# KiCad board PROC099A_PCB-PcbDoc.kicad_pcb (continued)
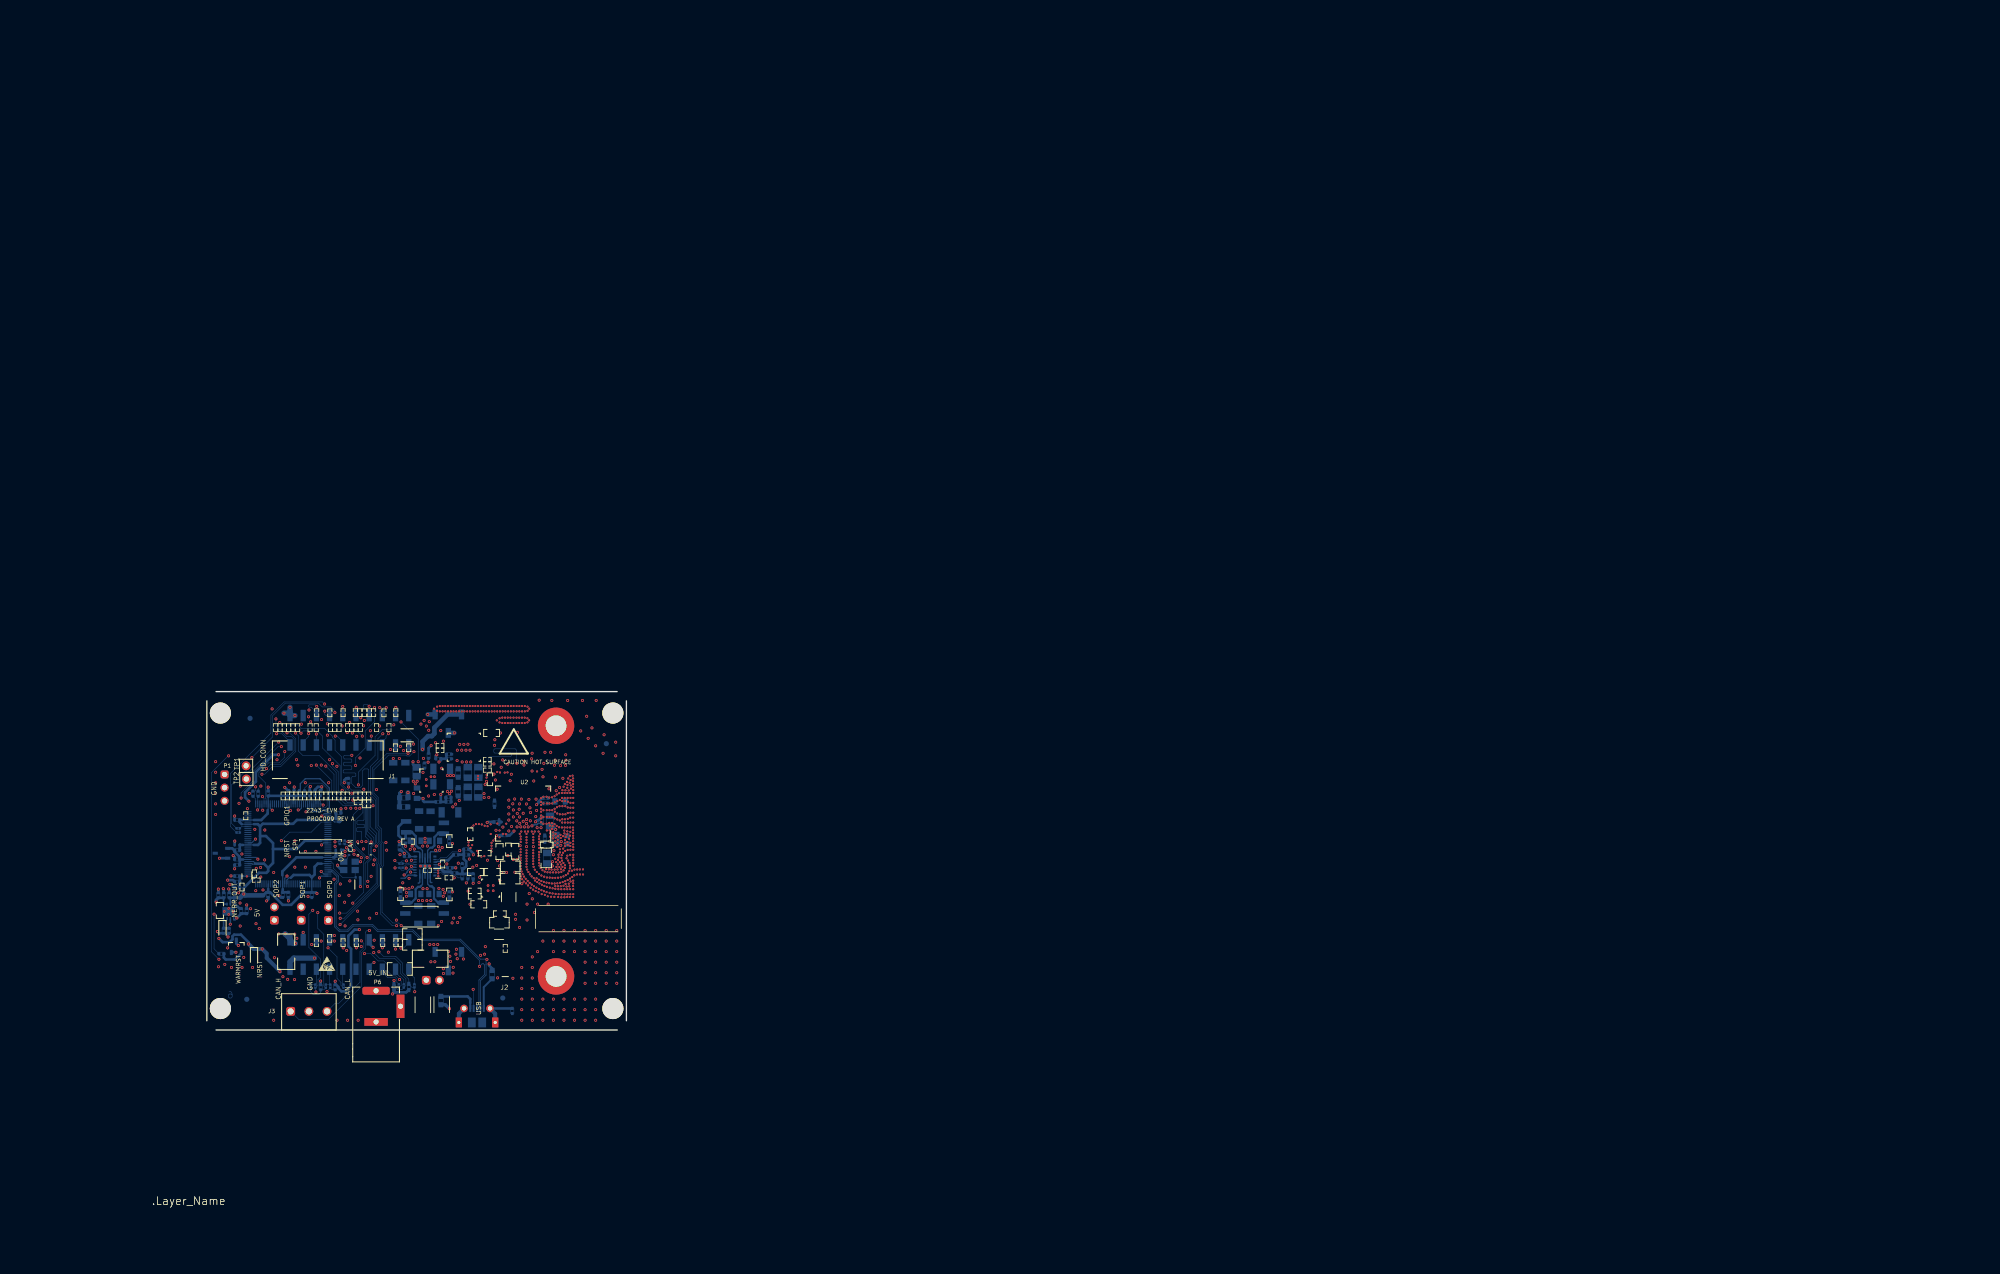
[diagram p0: board, top side]
## Routing (per net, layer and track width the routed paths; a pad name or vN(x,y) marks a point on that pad's centre or on a via; arc(x,y) is an arc through that point) (continued)
  In7.Cu w0.025: 69.5,27.46 79.89,27.46 79.89,46.46 69.5,46.46 69.5,27.46
  In9.Cu w0.025: 1.97,4.13 3.24,4.13 ; 2.61,3.49 2.61,4.76
  In12.Cu w0.025: 53.87,171.53 64.91,182.56 ; 57.29,182.56 53.87,179.15 ; 59.83,182.56 53.87,176.61 ; 77.61,155.89 61.1,139.38 ; 53.87,147.4 77.61,171.13 ; 71.26,182.56 53.87,165.18 ; 53.87,157.56 77.61,181.29 ; 67.45,139.38 77.61,149.54 ; 77.61,143.19 73.8,139.38 ; 77.61,172.4 53.87,148.67 ; 54.75,139.38 77.61,162.24 ; 72.53,182.56 53.87,163.91 ; 77.61,153.35 63.64,139.38 ; 77.61,169.86 53.87,146.13 ; 77.61,173.67 53.87,149.94 ; 71.26,139.38 77.61,145.73 ; 77.61,152.08 64.91,139.38 ; 77.61,144.46 72.53,139.38 ; 76.34,182.56 53.87,160.1 ; 53.87,161.37 75.07,182.56 ; 53.87,170.26 66.18,182.56 ; 77.61,180.02 53.87,156.29 ; 53.87,172.8 63.64,182.56 ; 53.87,166.45 69.99,182.56 ; 58.56,182.56 53.87,177.88 ; 77.61,147 69.99,139.38 ; 77.61,168.59 53.87,144.86 ; 66.18,139.38 77.61,150.81 ; 53.87,139.78 77.61,163.51 ; 53.87,143.59 77.61,167.32 ; 77.61,178.75 53.87,155.02 ; 53.87,158.83 77.61,182.56 ; 53.87,162.64 73.8,182.56 ; 53.87,142.32 77.61,166.05 ; 75.07,139.38 77.61,141.92 ; 53.87,180.42 56.02,182.56 ; 77.61,174.94 53.87,151.21 ; 77.61,160.97 56.02,139.38 ; 77.61,148.27 68.72,139.38 ; 58.56,139.38 77.61,158.43 ; 53.87,152.48 77.61,176.21 ; 59.83,139.38 77.61,157.16 ; 77.61,159.7 57.29,139.38 ; 77.61,164.78 53.87,141.05 ; 76.34,139.38 77.61,140.65 ; 53.87,174.07 62.37,182.56 ; 77.61,177.48 53.87,153.75 ; 61.1,182.56 53.87,175.34 ; 77.61,154.62 62.37,139.38 ; 53.87,181.69 54.75,182.56 ; 67.45,182.56 53.87,168.99 ; 68.72,182.56 53.87,167.72
  In5.Cu w0.05: 6.18,18.68 6.18,20.53 5.13,20.53 5.13,18.68 6.18,18.68 ; 8.04,20.67 9.09,20.67 9.09,18.82 8.04,18.82 8.04,20.67 ; 3.98,10.2 3.98,12.05 2.93,12.05 2.93,10.2 3.98,10.2 ; 30.16,21.84 31.56,21.84 31.56,22.54 30.16,22.54 30.16,21.84
  In6.Cu w0.05: 5.13,40.08 5.13,40.78 6.53,40.78 6.53,40.08 5.13,40.08
  In5.Cu w0.07: 58,17.48 58,19.38 54.5,19.38 54.5,17.48 58,17.48
  In6.Cu w0.07: 44.53,24.83 46.73,24.83 46.73,22.13 44.53,22.13 44.53,24.83 ; 42.24,20.46 42.24,23.96 44.14,23.96 44.14,20.46 42.24,20.46 ; 42.12,38.66 44.02,38.66 44.02,42.16 42.12,42.16 42.12,38.66 ; 37.27,37.75 39.47,37.75 39.47,40.45 37.27,40.45 37.27,37.75 ; 39.76,20.45 41.66,20.45 41.66,23.95 39.76,23.95 39.76,20.45 ; 39.31,22.13 39.31,24.83 37.11,24.83 37.11,22.13 39.31,22.13 ; 46.74,37.48 46.74,40.18 44.54,40.18 44.54,37.48 46.74,37.48 ; 37.27,48.01 39.17,48.01 39.17,51.51 37.27,51.51 37.27,48.01 ; 34.94,51.5 36.84,51.5 36.84,48 34.94,48 34.94,51.5 ; 39.92,38.69 39.92,42.19 41.82,42.19 41.82,38.69 39.92,38.69
  In6.Cu w0.08: 25.81,32.9 29.11,32.9 29.11,30.3 25.81,30.3 25.81,32.9
  In5.Cu w0.1: 56.54,10.29 57.14,10.29 57.14,10.04 57.74,10.04 57.74,10.29 58.34,10.29 ; 9.79,13.04 9.79,15.87 8.39,15.87 8.39,13.04 ; 13.15,34.01 13.14,34 ; 13.15,34.01 13.17,34.02 13.2,34.05 13.21,34.09 13.23,34.13 13.24,34.18 13.25,34.24 13.25,34.3 13.25,34.42 13.24,34.5 13.24,34.51 ; 13.15,34.01 13.15,34 ; 20.1,55.66 20.1,55.79 19.95,55.79 19.95,55.66 ; 25.1,48.42 25.1,48.29 24.95,48.29 24.95,48.42 ; 13.03,34.47 13.06,34.46 ; 13.03,34.47 13.03,35.25 ; 13.03,34.47 13,34.48 13,33.81 13.05,33.85 13.14,33.88 13.15,33.89 13.15,34.43 ; 13.09,40.24 13.26,40.24 13.26,41.04 13.09,41.04 ; 13.09,40.24 13.06,40.25 ; 13.09,40.24 13.11,40.24 ; 28.08,-2.64 37.08,-2.64 ; 28.08,-2.64 28.08,7.36 ; 28.08,-2.64 28.08,-3.64 ; 37.08,-2.64 37.08,-3.64 ; 37.08,-2.64 37.08,7.36 ; 13.18,39.79 13.17,39.79 ; 13.18,39.79 13.18,39.79 ; 13.18,39.79 13.18,39.79 ; 9.14,39.79 9.12,39.81 9.1,39.83 9.08,39.87 9.06,39.91 9.05,39.96 9.04,40.01 9.04,40.07 9.04,40.09 9.04,40.21 9.05,40.29 9.05,40.3 ; 9.14,39.79 9.15,39.79 ; 9.14,39.79 9.14,39.79 ; 24.45,55.66 24.45,55.79 24.6,55.79 24.6,55.66 ; 13.27,40.3 13.26,40.36 13.25,40.39 ; 13.27,40.3 13.28,40.22 13.28,40.18 13.28,40.07 13.28,40.01 13.27,39.96 13.26,39.91 13.24,39.86 13.22,39.83 13.2,39.8 13.18,39.79 ; 13.28,40.3 13.26,40.38 ; 9.23,41.04 9.21,41.05 ; 9.23,41.04 9.26,41.03 ; 9.23,41.04 9.06,41.04 9.06,40.24 9.23,40.24 ; 27.1,48.42 27.1,48.29 26.95,48.29 26.95,48.42 ; 9.2,34.46 9.03,34.46 9.03,35.26 9.2,35.26 ; 9.2,34.46 9.18,34.45 ; 9.2,34.46 9.23,34.47 ; 9.14,41.05 9.21,41.05 ; 9.14,41.05 9.14,41.07 ; 9.14,41.05 9.14,41.04 ; 9.21,41.05 9.14,41.07 ; 21.45,48.42 21.45,48.29 21.6,48.29 21.6,48.42 ; 52.17,35.32 53.57,35.32 ; 13.03,35.88 13.09,35.85 13.14,35.83 13.15,35.82 13.15,35.28 ; 13.03,35.88 13,35.9 13,35.23 13.06,35.26 ; 13.03,35.88 13.03,36.11 ; 11.79,39.41 11.79,39.41 ; 13.06,35.26 13.08,35.26 ; 13.06,35.26 13.23,35.26 13.23,34.46 13.06,34.46 ; 9.23,33.61 9.23,33.83 ; 9.23,33.83 9.26,33.81 9.26,34.48 9.23,34.47 ; 9.23,33.83 9.16,33.86 9.12,33.88 9.11,33.89 9.11,34.43 ; 30.6,48.42 30.6,48.29 30.45,48.29 30.45,48.42 ; 9.11,34.45 9.11,34.46 ; 9.11,34.45 9.11,34.43 ; 9.11,34.45 9.18,34.45 ; 12.46,41.93 12.46,42.04 ; 12.46,42.04 12.91,42.04 ; 12.46,42.04 9.86,42.04 ; 9.26,40.25 9.29,40.26 9.29,39.59 9.26,39.62 ; 9.26,40.25 9.26,41.03 ; 9.26,40.25 9.23,40.24 ; 13.28,40.99 13.26,40.92 13.25,40.89 ; 13.28,40.99 13.26,40.9 ; 13.28,40.99 13.28,41.06 13.28,41.1 13.28,41.21 13.28,41.27 13.27,41.33 13.26,41.37 13.24,41.42 13.22,41.45 13.2,41.48 13.18,41.49 ; 10.53,33.61 10.53,33.46 9.38,33.46 ; 10.53,33.61 10.57,33.57 10.62,33.48 ; 10.53,33.61 10.51,33.62 ; 9.01,34.51 9.03,34.59 ; 9.01,34.51 9,34.43 9,34.4 9,34.28 9.01,34.23 9.02,34.17 9.03,34.12 9.05,34.08 9.06,34.04 9.09,34.02 9.1,34.01 ; 9.01,34.51 9.03,34.58 9.04,34.61 ; 9.1,34.01 9.11,34.01 ; 9.11,34.01 9.11,34 ; 17.1,55.66 17.1,55.79 16.95,55.79 16.95,55.66 ; 9.26,41.66 9.26,41.89 ; 9.26,41.66 9.19,41.63 9.15,41.62 9.14,41.61 9.14,41.07 ; 9.26,41.66 9.29,41.69 9.29,41.02 9.26,41.03 ; 12.98,33.73 12.98,33.51 12.05,33.51 ; 9.93,36.11 10.61,36.11 ; 27.45,48.42 27.45,48.29 27.6,48.29 27.6,48.42 ; 13.18,41.07 13.18,41.61 13.07,41.66 13.06,41.66 ; 13.18,41.07 13.11,41.05 ; 13.18,41.07 13.18,41.05 ; 14.39,0.73 14.39,-0.01 17.89,-0.01 ; 14.39,0.73 17.89,0.73 ; 14.39,0.73 14.39,6.99 24.89,6.99 24.89,0.73 ; 7.34,28.92 8.09,28.92 ; 25.95,48.42 25.95,48.29 26.1,48.29 26.1,48.42 ; 13.09,41.04 13.06,41.03 ; 13.09,41.04 13.11,41.05 ; 9.2,35.26 9.23,35.25 ; 9.2,35.26 9.18,35.26 ; 17.1,48.42 17.1,48.29 16.95,48.29 16.95,48.42 ; 9.26,39.62 9.19,39.65 9.15,39.67 9.14,39.67 9.14,40.22 ; 9.26,39.62 9.26,39.39 ; 13.06,40.25 13.03,40.26 13.03,39.59 13.06,39.62 ; 13.06,40.25 13.06,41.03 ; 8.34,28.92 8.56,28.92 8.56,30.22 8.34,30.22 ; 27.95,55.66 27.95,55.79 28.1,55.79 28.1,55.66 ; 13.18,41.04 13.18,41.05 ; 13.18,41.05 13.11,41.05 ; 10.53,39.41 10.54,39.41 ; 21.1,48.42 21.1,48.29 20.95,48.29 20.95,48.42 ; 37.08,-5.14 37.08,-3.64 ; 37.08,-5.14 37.08,-6.14 28.08,-6.14 28.08,-5.14 ; 37.08,-5.14 28.08,-5.14 ; 37.08,-3.64 28.08,-3.64 ; 13.25,35.36 13.43,35.36 13.43,35.96 13.03,35.96 ; 51.57,35.32 51.57,38.02 ; 10.56,39.39 10.6,39.36 10.66,39.26 11.66,39.26 11.72,39.35 11.76,39.39 11.76,39.39 ; 10.56,39.39 10.56,39.24 9.41,39.24 ; 10.56,39.39 10.54,39.41 ; 10.21,33.51 9.28,33.51 9.28,33.73 ; 30.1,55.66 30.1,55.79 29.95,55.79 29.95,55.66 ; 23.95,55.66 23.95,55.79 24.1,55.79 24.1,55.66 ; 29.6,48.42 29.6,48.29 29.45,48.29 29.45,48.42 ; 7.09,28.92 6.86,28.92 6.86,30.22 7.09,30.22 ; 29.58,-5.14 29.58,-3.64 ; 54.17,35.32 54.17,38.02 ; 9.11,34.43 9.18,34.45 ; 23.45,48.42 23.45,48.29 23.6,48.29 23.6,48.42 ; 12.91,39.24 11.76,39.24 11.76,39.39 ; 45.21,29.53 45.21,29.31 43.91,29.31 43.91,29.53 ; 9.14,41.49 9.12,41.47 9.09,41.45 9.08,41.41 9.06,41.37 9.05,41.32 9.04,41.26 9.04,41.2 9.04,41.07 9.04,41 9.05,40.99 ; 9.14,41.49 9.14,41.49 ; 9.14,41.49 9.14,41.49 ; 28.08,7.36 28.08,8.26 31.08,8.26 31.08,7.74 ; 28.08,7.36 28.48,7.36 ; 9.18,35.26 9.11,35.26 ; 9.18,35.26 9.11,35.28 ; 13.15,35.26 13.15,35.26 ; 13.15,35.26 13.15,35.28 ; 13.15,35.26 13.07,35.26 ; 9.14,40.23 9.14,40.24 ; 9.14,40.23 9.21,40.23 ; 9.14,40.23 9.14,40.22 ; 28.95,48.42 28.95,48.29 29.1,48.29 29.1,48.42 ; 9.26,39.54 8.86,39.54 8.86,40.14 9.04,40.14 ; 29.45,55.66 29.45,55.79 29.6,55.79 29.6,55.66 ; 10.08,36.21 12.17,36.21 ; 18.95,55.66 18.95,55.79 19.1,55.79 19.1,55.66 ; 13.18,41.49 13.18,41.49 ; 13.18,41.49 13.18,41.49 ; 13.18,41.49 13.17,41.49 ; 9.14,41.49 9.15,41.49 ; 13.06,39.62 13.13,39.65 13.17,39.66 13.18,39.67 13.18,40.22 ; 13.06,39.62 13.06,39.39 ; 9.05,40.3 9.06,40.38 ; 9.05,40.3 9.06,40.36 9.07,40.39 ; 18.45,48.42 18.45,48.29 18.6,48.29 18.6,48.42 ; 22.95,55.66 22.95,55.79 23.1,55.79 23.1,55.66 ; 11.73,33.61 11.75,33.62 ; 11.73,33.61 11.73,33.46 12.88,33.46 ; 11.73,33.61 11.69,33.57 11.63,33.48 10.63,33.48 ; 9.28,35.98 9.28,36.21 9.79,36.21 ; 13.08,35.26 13.15,35.28 ; 9.05,40.99 9.06,40.9 ; 9.05,40.99 9.06,40.92 9.07,40.89 ; 16.1,55.66 16.1,55.79 15.95,55.79 15.95,55.66 ; 24.89,0.73 21.39,0.73 ; 24.89,0.73 24.89,-0.01 21.39,-0.01 ; 12.5,41.99 13.01,41.99 13.01,41.76 ; 9.12,35.71 9.11,35.71 ; 20.6,55.66 20.6,55.79 20.45,55.79 20.45,55.66 ; 22.1,55.66 22.1,55.79 21.95,55.79 21.95,55.66 ; 21.39,0.73 17.89,0.73 ; 21.39,0.73 21.39,-0.01 ; 21.39,0.73 21.39,-0.01 ; 29.95,48.42 29.95,48.29 30.1,48.29 30.1,48.42 ; 17.6,48.42 17.6,48.29 17.45,48.29 17.45,48.42 ; 9.04,35.11 9.02,35.17 9.01,35.2 ; 16.45,55.66 16.45,55.79 16.6,55.79 16.6,55.66 ; 22.95,48.42 22.95,48.29 23.1,48.29 23.1,48.42 ; 9.38,36.26 9.83,36.26 ; 9.83,36.26 12.43,36.26 ; 9.83,36.26 9.83,36.14 ; 20.6,48.42 20.6,48.29 20.45,48.29 20.45,48.42 ; 26.45,55.66 26.45,55.79 26.6,55.79 26.6,55.66 ; 13.22,35.11 13.24,35.17 13.25,35.24 13.25,35.31 13.25,35.43 13.25,35.49 13.24,35.54 13.23,35.59 13.21,35.63 13.19,35.67 13.17,35.69 13.15,35.7 ; 9.14,40.22 9.23,40.24 ; 24.6,48.42 24.6,48.29 24.45,48.29 24.45,48.42 ; 12.47,36.21 12.98,36.21 12.98,35.98 ; 13.06,34.46 13.08,34.45 ; 24.89,5.22 25.39,5.09 25.39,6.09 24.89,5.95 ; 9.12,34 9.11,34.01 ; 13.06,41.66 13.03,41.69 13.03,41.02 13.06,41.03 ; 13.06,41.66 13.06,41.89 ; 9.04,41.14 8.86,41.14 8.86,41.74 9.26,41.74 ; 13.03,33.61 13.03,33.83 ; 28.48,-2.64 28.48,7.36 ; 28.48,7.36 36.68,7.36 ; 56.54,12.89 58.34,12.89 ; 13.24,34.51 13.23,34.58 13.22,34.61 ; 13.24,34.51 13.23,34.59 ; 18.1,48.42 18.1,48.29 17.95,48.29 17.95,48.42 ; 31.08,7.74 34.08,7.74 ; 31.08,7.74 31.08,7.38 34.08,7.38 34.08,7.74 ; 18.1,55.66 18.1,55.79 17.95,55.79 17.95,55.66 ; 11.68,41.89 12.36,41.89 ; 43.91,30.78 43.91,31.01 45.21,31.01 45.21,30.78 ; 12.08,39.29 13.01,39.29 13.01,39.52 ; 16.1,48.42 16.1,48.29 15.95,48.29 15.95,48.42 ; 9.11,35.26 9.11,35.28 ; 9.11,35.26 9.11,35.26 ; 9.11,35.28 9.11,35.82 9.2,35.87 9.23,35.88 ; 13.18,40.22 13.11,40.24 ; 13.18,40.22 13.18,40.23 ; 9.23,34.47 9.23,35.25 ; 9.23,35.25 9.26,35.23 9.26,35.9 9.23,35.88 ; 51.87,38.32 53.87,38.32 ; 24.95,55.66 24.95,55.79 25.1,55.79 25.1,55.66 ; 13.07,34.45 13.15,34.45 ; 13.08,34.45 13.15,34.43 ; 20.1,48.42 20.1,48.29 19.95,48.29 19.95,48.42 ; 13.15,35.7 13.15,35.71 ; 13.15,35.7 13.15,35.71 ; 13.15,34.45 13.15,34.46 ; 13.15,34.45 13.15,34.43 ; 10.39,39.41 11.93,39.41 ; 27.6,55.66 27.6,55.79 27.45,55.79 27.45,55.66 ; 11.9,33.63 10.35,33.63 ; 34.08,7.74 34.08,8.26 37.08,8.26 37.08,7.36 ; 13.28,40.14 13.46,40.14 13.46,39.54 13.06,39.54 ; 9.41,42.04 9.86,42.04 ; 9.86,42.04 9.86,41.93 ; 11.76,39.39 11.78,39.41 ; 9.23,35.88 9.23,36.11 ; 10.5,33.62 10.5,33.62 ; 10.12,41.99 12.21,41.99 ; 13.11,40.23 13.18,40.23 ; 13.18,40.23 13.18,40.24 ; 9.96,41.89 10.65,41.89 ; 12.43,36.26 12.88,36.26 ; 12.43,36.26 12.43,36.14 ; 26.6,48.42 26.6,48.29 26.45,48.29 26.45,48.42 ; 17.89,0.73 17.89,-0.01 ; 17.89,0.73 17.89,-0.01 ; 51.87,35.62 51.87,37.72 ; 22.6,55.66 22.6,55.79 22.45,55.79 22.45,55.66 ; 13.06,41.74 13.46,41.74 13.46,41.14 13.28,41.14 ; 3.71,18.25 3.71,21.07 2.31,21.07 2.31,18.25 ; 27.1,55.66 27.1,55.79 26.95,55.79 26.95,55.66 ; 25.45,48.42 25.45,48.29 25.6,48.29 25.6,48.42 ; 28.08,-5.14 28.08,-3.64 ; 9.36,40.42 9.36,40.87 ; 51.87,35.02 53.87,35.02 ; 19.6,55.66 19.6,55.79 19.45,55.79 19.45,55.66 ; 25.95,55.66 25.95,55.79 26.1,55.79 26.1,55.66 ; 19.1,48.42 19.1,48.29 18.95,48.29 18.95,48.42 ; 40.08,5.19 43.08,5.19 ; 22.45,48.42 22.45,48.29 22.6,48.29 22.6,48.42 ; 28.1,48.42 28.1,48.29 27.95,48.29 27.95,48.42 ; 36.68,7.36 37.08,7.36 ; 36.68,7.36 36.68,-2.64 ; 9.23,33.76 8.83,33.76 8.83,34.36 9,34.36 ; 13.25,34.36 13.43,34.36 13.43,33.76 13.03,33.76 ; 52.17,38.02 53.57,38.02 ; 7.34,30.22 7.59,30.22 ; 28.6,55.66 28.6,55.79 28.45,55.79 28.45,55.66 ; 24.1,48.42 24.1,48.29 23.95,48.29 23.95,48.42 ; 23.45,55.66 23.45,55.79 23.6,55.79 23.6,55.66 ; 43.91,29.78 43.91,30.03 ; 17.89,-0.01 21.39,-0.01 ; 21.45,55.66 21.45,55.79 21.6,55.79 21.6,55.66 ; 9.01,35.2 9.03,35.12 ; 9.01,35.2 9,35.27 9,35.32 9,35.43 9.01,35.49 9.02,35.54 9.03,35.59 9.05,35.63 9.06,35.67 9.09,35.69 9.1,35.7 ; 28.45,48.42 28.45,48.29 28.6,48.29 28.6,48.42 ; 35.58,-5.14 35.58,-3.64 ; 9.23,35.96 8.83,35.96 8.83,35.36 9,35.36 ; 7.84,30.22 8.09,30.22 ; 13.15,35.71 13.14,35.71 ; 9.31,41.76 9.31,41.99 9.82,41.99 ; 19.45,48.42 19.45,48.29 19.6,48.29 19.6,48.42 ; 57.14,12.89 57.14,13.14 57.74,13.14 57.74,12.89 ; 12.93,34.63 12.93,35.08 ; 45.21,29.78 45.21,30.53 ; 21.1,55.66 21.1,55.79 20.95,55.79 20.95,55.66 ; 22.1,48.42 22.1,48.29 21.95,48.29 21.95,48.42 ; 9.11,35.71 9.11,35.7 ; 9.11,35.71 9.1,35.7 ; 9.33,34.63 9.33,35.08 ; 16.6,48.42 16.6,48.29 16.45,48.29 16.45,48.42 ; 28.95,55.66 28.95,55.79 29.1,55.79 29.1,55.66 ; 9.31,39.52 9.31,39.29 10.24,39.29 ; 11.76,33.62 11.75,33.62 ; 13.23,35.12 13.24,35.2 ; 17.45,55.66 17.45,55.79 17.6,55.79 17.6,55.66 ; 43.91,30.28 43.91,30.53 ; 25.6,55.66 25.6,55.79 25.45,55.79 25.45,55.66 ; 18.45,55.66 18.45,55.79 18.6,55.79 18.6,55.66 ; 53.87,35.62 53.87,37.72 ; 37.08,3.31 37.48,3.31 37.48,5.81 37.08,5.81 ; 30.45,55.66 30.45,55.79 30.6,55.79 30.6,55.66 ; 12.96,40.42 12.96,40.87 ; 43.72,5.22 46.72,5.22 ; 11.64,36.11 12.33,36.11 ; 6.37,26.78 7.17,26.78 7.17,28.28 6.37,28.28 6.37,26.78 ; 43.71,30.53 43.93,30.53 43.93,30.78 43.71,30.78 43.71,30.53 ; 7.59,28.72 7.59,28.94 7.84,28.94 7.84,28.72 7.59,28.72 ; 9.56,29.32 9.56,30.82 8.76,30.82 8.76,29.32 9.56,29.32 ; 23.25,16.9 24.05,16.9 24.05,18.4 23.25,18.4 23.25,16.9 ; 54.17,31.34 55.97,31.34 55.97,32.04 54.17,32.04 54.17,31.34 ; 10.2,16.16 10.2,17.96 9.5,17.96 9.5,16.16 10.2,16.16 ; 6.55,46.86 8.05,46.86 8.05,46.06 6.55,46.06 6.55,46.86 ; 20.69,16.06 21.49,16.06 21.49,17.56 20.69,17.56 20.69,16.06 ; 20.09,44.32 20.09,45.82 20.89,45.82 20.89,44.32 20.09,44.32 ; 18.42,44.32 18.42,45.82 19.22,45.82 19.22,44.32 18.42,44.32 ; 53.94,47.02 53.94,49.52 55.04,49.52 55.04,47.02 53.94,47.02 ; 34.73,35.12 34.73,35.82 32.93,35.82 32.93,35.12 34.73,35.12 ; 23.4,57.47 23.4,58.97 24.2,58.97 24.2,57.47 23.4,57.47 ; 25.02,57.47 25.02,58.97 24.22,58.97 24.22,57.47 25.02,57.47 ; 29.95,32.22 29.95,32.92 31.75,32.92 31.75,32.22 29.95,32.22 ; 19.44,16.55 19.44,18.35 18.74,18.35 18.74,16.55 19.44,16.55 ; 2.15,47.67 2.66,47.8 2.66,48.06 2.15,48.19 2.15,50.47 4.69,50.47 4.69,48.19 4.18,48.06 4.18,47.8 4.69,47.67 4.69,45.65 4.18,45.52 4.18,45.26 4.69,45.13 4.69,42.85 2.15,42.85 2.15,45.13 2.66,45.26 2.66,45.52 2.15,45.65 2.15,47.67 ; 18.42,16.54 18.42,18.34 17.72,18.34 17.72,16.54 18.42,16.54 ; 44.15,53.43 44.15,54.23 45.65,54.23 45.65,53.43 44.15,53.43 ; 32.6,34.31 34.4,34.31 34.4,35.01 32.6,35.01 32.6,34.31 ; 41.73,30.36 43.23,30.36 43.23,31.16 41.73,31.16 41.73,30.36 ; 8.09,28.94 8.34,28.94 8.34,28.72 8.09,28.72 8.09,28.94 ; 39.01,48.38 39.01,49.08 40.81,49.08 40.81,48.38 39.01,48.38 ; 43.72,5.97 46.72,5.97 46.72,2.27 43.72,2.27 43.72,5.97 ; 31.28,22.7 31.28,24.5 31.98,24.5 31.98,22.7 31.28,22.7 ; 13.22,50.66 14.94,48.93 31.67,48.93 33.4,50.66 33.4,55.15 13.22,55.15 13.22,50.66 ; 34.66,57.47 34.66,58.97 35.46,58.97 35.46,57.47 34.66,57.47 ; 39.01,49.21 40.81,49.21 40.81,49.91 39.01,49.91 39.01,49.21 ; 45.41,29.53 45.41,29.78 45.18,29.78 45.18,29.53 45.41,29.53 ; 28.75,31.62 28.75,33.42 28.05,33.42 28.05,31.62 28.75,31.62 ; 28.2,59.84 30,59.84 30,59.14 28.2,59.14 28.2,59.84 ; 23.37,44.32 23.37,45.82 24.17,45.82 24.17,44.32 23.37,44.32 ; 55.16,22.97 57.66,22.97 57.66,21.87 55.16,21.87 55.16,22.97 ; 15.35,58.96 16.15,58.96 16.15,57.46 15.35,57.46 15.35,58.96 ; 16.18,57.47 16.98,57.47 16.98,58.97 16.18,58.97 16.18,57.47 ; 10.1,13.19 10.8,13.19 10.8,14.99 10.1,14.99 10.1,13.19 ; 26.3,25 26.3,25.7 28.1,25.7 28.1,25 26.3,25 ; 6.04,23.77 6.74,23.77 6.74,21.97 6.04,21.97 6.04,23.77 ; 38.85,10.85 38.85,12.65 35.45,12.65 35.45,10.85 38.85,10.85 ; 12.63,48.42 33.94,48.42 33.94,55.66 12.63,55.66 12.63,48.42 ; 45.89,30.87 45.89,31.57 47.69,31.57 47.69,30.87 45.89,30.87 ; 53.06,25.74 56.21,25.74 56.21,28.89 53.06,28.89 53.06,25.74 ; 46.14,24.86 46.14,27.36 47.24,27.36 47.24,24.86 46.14,24.86 ; 18.47,59.49 19.17,59.49 19.17,61.29 18.47,61.29 18.47,59.49 ; 8.96,31.69 10.76,31.69 10.76,32.39 8.96,32.39 8.96,31.69 ; 12.66,17.96 13.36,17.96 13.36,16.16 12.66,16.16 12.66,17.96 ; 3,32.67 4.55,32.67 4.55,31.77 3,31.77 3,32.67 ; 29.14,59 29.94,59 29.94,57.5 29.14,57.5 29.14,59 ; 45.18,30.53 45.18,30.78 45.41,30.78 45.41,30.53 45.18,30.53 ; 43.93,30.03 43.93,30.28 43.71,30.28 43.71,30.03 43.93,30.03 ; 55.69,36.47 55.69,46.87 66.09,46.87 66.09,36.47 55.69,36.47 ; 25.81,44.32 25.81,45.82 25.01,45.82 25.01,44.32 25.81,44.32 ; 53.22,47.23 53.22,49.03 52.52,49.03 52.52,47.23 53.22,47.23 ; 46.43,51.89 46.43,56.99 52.53,56.99 52.53,51.89 46.43,51.89 ; 13.89,1.09 14.39,1.22 14.39,1.95 13.89,2.09 13.89,1.09 ; 31.75,31.42 31.75,32.12 29.95,32.12 29.95,31.42 31.75,31.42 ; 19.48,58.97 20.28,58.97 20.28,57.47 19.48,57.47 19.48,58.97 ; 22.39,30.99 22.39,31.69 24.19,31.69 24.19,30.99 22.39,30.99 ; 60.09,32.85 60.09,35.95 58.64,35.95 58.64,32.85 60.09,32.85 ; 5.83,28.97 6.53,28.97 6.53,30.77 5.83,30.77 5.83,28.97 ; 37.47,35.72 39.97,35.72 39.97,36.82 37.47,36.82 37.47,35.72 ; 63.99,48.76 63.99,49.46 62.19,49.46 62.19,48.76 63.99,48.76 ; 8.09,30.42 8.34,30.42 8.34,30.19 8.09,30.19 8.09,30.42 ; 56.76,23.89 59.46,23.89 59.46,27.29 56.76,27.29 56.76,23.89 ; 27.45,44.32 27.45,45.82 26.65,45.82 26.65,44.32 27.45,44.32 ; 7.23,33.99 7.23,35.79 7.93,35.79 7.93,33.99 7.23,33.99 ; 54.74,51.69 54.74,52.49 53.24,52.49 53.24,51.69 54.74,51.69 ; 57.04,14.96 57.84,14.96 57.84,16.46 57.04,16.46 57.04,14.96 ; 19.21,34.12 19.21,36.62 24.61,36.62 24.61,34.12 19.21,34.12 ; 27.18,20.51 27.88,20.51 27.88,22.31 27.18,22.31 27.18,20.51 ; 35.91,55.09 36.71,55.09 36.71,53.59 35.91,53.59 35.91,55.09 ; 23.34,44.32 23.34,45.82 22.54,45.82 22.54,44.32 23.34,44.32 ; 14.89,5.99 17.39,5.99 17.39,6.49 14.89,6.49 14.89,5.99 ; 29.8,60.34 29.8,61.84 29,61.84 29,60.34 29.8,60.34 ; 7.36,26.43 7.36,28.23 8.06,28.23 8.06,26.43 7.36,26.43 ; 11.24,16.14 11.24,17.94 10.54,17.94 10.54,16.14 11.24,16.14 ; 2.26,33.42 2.26,35.22 1.56,35.22 1.56,33.42 2.26,33.42 ; 1.57,32.64 2.27,32.64 2.27,30.84 1.57,30.84 1.57,32.64 ; 43.71,29.53 43.71,29.78 43.93,29.78 43.93,29.53 43.71,29.53 ; 20.9,45.82 21.7,45.82 21.7,44.32 20.9,44.32 20.9,45.82 ; 28.33,57.48 28.33,58.98 29.13,58.98 29.13,57.48 28.33,57.48 ; 7.09,30.42 7.34,30.42 7.34,30.19 7.09,30.19 7.09,30.42 ; 4.82,34.79 4.82,35.49 3.02,35.49 3.02,34.79 4.82,34.79 ; 47.7,29.86 47.7,30.56 45.9,30.56 45.9,29.86 47.7,29.86 ; 7.9,40.49 7.9,41.99 7.1,41.99 7.1,40.49 7.9,40.49 ; 42.26,53.32 42.26,54.02 44.06,54.02 44.06,53.32 42.26,53.32 ; 53.26,49.63 54.76,49.63 54.76,50.43 53.26,50.43 53.26,49.63 ; 19.45,14.6 19.45,16.4 18.75,16.4 18.75,14.6 19.45,14.6 ; 1.78,21.46 1.78,24.56 3.23,24.56 3.23,21.46 1.78,21.46 ; 53.3,55.54 53.3,56.24 55.1,56.24 55.1,55.54 53.3,55.54 ; 11.58,16.15 11.58,17.95 12.28,17.95 12.28,16.15 11.58,16.15 ; 1.91,14.35 3.71,14.35 3.71,15.05 1.91,15.05 1.91,14.35 ; 33.08,57.47 33.08,58.97 32.28,58.97 32.28,57.47 33.08,57.47 ; 52.05,12.63 52.05,13.68 53.55,13.68 53.55,12.63 52.05,12.63 ; 26.16,22.33 26.86,22.33 26.86,20.53 26.16,20.53 26.16,22.33 ; 26.63,44.32 26.63,45.82 25.83,45.82 25.83,44.32 26.63,44.32 ; 32.98,20.41 32.98,22.21 33.68,22.21 33.68,20.41 32.98,20.41 ; 66.67,35.07 66.67,36.17 64.17,36.17 64.17,35.07 66.67,35.07 ; 18.47,57.51 18.47,59.31 19.17,59.31 19.17,57.51 18.47,57.51 ; 41.16,45.95 41.16,50.1 45.31,50.1 45.31,45.95 41.16,45.95 ; 21.89,5.99 21.89,6.49 24.39,6.49 24.39,5.99 21.89,5.99 ; 32.1,35.89 33.9,35.89 33.9,36.59 32.1,36.59 32.1,35.89 ; 29.96,60.34 30.76,60.34 30.76,61.84 29.96,61.84 29.96,60.34 ; 21.72,45.82 22.52,45.82 22.52,44.32 21.72,44.32 21.72,45.82 ; 20.95,26.79 21.65,26.79 21.65,28.59 20.95,28.59 20.95,26.79 ; 22.39,29.44 24.19,29.44 24.19,30.14 22.39,30.14 22.39,29.44 ; 24.09,60.32 24.09,61.82 23.29,61.82 23.29,60.32 24.09,60.32 ; 7.14,38.56 7.14,40.36 7.84,40.36 7.84,38.56 7.14,38.56 ; 53.24,51.62 54.74,51.62 54.74,50.82 53.24,50.82 53.24,51.62 ; 30.96,17.71 31.66,17.71 31.66,15.91 30.96,15.91 30.96,17.71 ; 7.59,30.42 7.84,30.42 7.84,30.19 7.59,30.19 7.59,30.42 ; 35.82,58.19 41.28,58.19 41.28,55.29 35.82,55.29 35.82,58.19 ; 50.15,36.44 50.15,38.94 51.25,38.94 51.25,36.44 50.15,36.44 ; 15.94,44.32 15.94,45.82 16.74,45.82 16.74,44.32 15.94,44.32 ; 10.26,28.45 10.26,29.25 8.76,29.25 8.76,28.45 10.26,28.45 ; 19.26,45.82 20.06,45.82 20.06,44.32 19.26,44.32 19.26,45.82 ; 7.34,28.72 7.34,28.94 7.09,28.94 7.09,28.72 7.34,28.72 ; 53.38,29.69 56.48,29.69 56.48,31.14 53.38,31.14 53.38,29.69 ; 55.94,10.69 56.14,10.69 56.14,12.49 55.94,12.49 55.94,10.69 ; 15.12,44.32 15.92,44.32 15.92,45.82 15.12,45.82 15.12,44.32 ; 7.35,23.77 8.05,23.77 8.05,21.97 7.35,21.97 7.35,23.77 ; 13.69,58.97 14.49,58.97 14.49,57.47 13.69,57.47 13.69,58.97 ; 18.43,14.6 18.43,16.4 17.73,16.4 17.73,14.6 18.43,14.6 ; 18.39,5.99 20.89,5.99 20.89,6.49 18.39,6.49 18.39,5.99 ; 40.26,12.27 45.72,12.27 45.72,15.17 40.26,15.17 40.26,12.27 ; 1.89,11.8 2.59,11.8 2.59,10 1.89,10 1.89,11.8 ; 45,32.71 45.8,32.71 45.8,31.21 45,31.21 45,32.71 ; 16.77,44.32 16.77,45.82 17.57,45.82 17.57,44.32 16.77,44.32 ; 1.9,16.48 3.7,16.48 3.7,17.18 1.9,17.18 1.9,16.48 ; 12.86,57.47 13.66,57.47 13.66,58.97 12.86,58.97 12.86,57.47 ; 45.18,30.03 45.18,30.28 45.41,30.28 45.41,30.03 45.18,30.03 ; 32.6,33.49 32.6,34.19 34.4,34.19 34.4,33.49 32.6,33.49 ; 25.83,16.06 26.63,16.06 26.63,17.56 25.83,17.56 25.83,16.06 ; 27.5,58.97 28.3,58.97 28.3,57.47 27.5,57.47 27.5,58.97 ; 41.33,50.38 43.13,50.38 43.13,51.08 41.33,51.08 41.33,50.38 ; 9.13,16.16 9.13,17.96 8.43,17.96 8.43,16.16 9.13,16.16 ; 67.09,52.55 68.59,52.55 68.59,53.35 67.09,53.35 67.09,52.55 ; 17.6,45.82 18.4,45.82 18.4,44.32 17.6,44.32 17.6,45.82 ; 56.64,51.64 56.64,52.34 54.84,52.34 54.84,51.64 56.64,51.64 ; 41.39,30.13 43.19,30.13 43.19,29.43 41.39,29.43 41.39,30.13 ; 8.51,42.68 8.51,44.48 9.21,44.48 9.21,42.68 8.51,42.68 ; 50.17,29.69 50.17,31.14 53.27,31.14 53.27,29.69 50.17,29.69 ; 33.92,23.7 34.62,23.7 34.62,25.5 33.92,25.5 33.92,23.7 ; 20.75,60.34 20.75,61.84 21.55,61.84 21.55,60.34 20.75,60.34 ; 24.19,44.32 24.19,45.82 24.99,45.82 24.99,44.32 24.19,44.32 ; 45.65,54.34 45.65,55.14 44.15,55.14 44.15,54.34 45.65,54.34 ; 17.08,58.97 17.88,58.97 17.88,57.47 17.08,57.47 17.08,58.97 ; 14.51,58.97 15.31,58.97 